# KiCad board panel.opm-inline.kicad_pcb (continued)
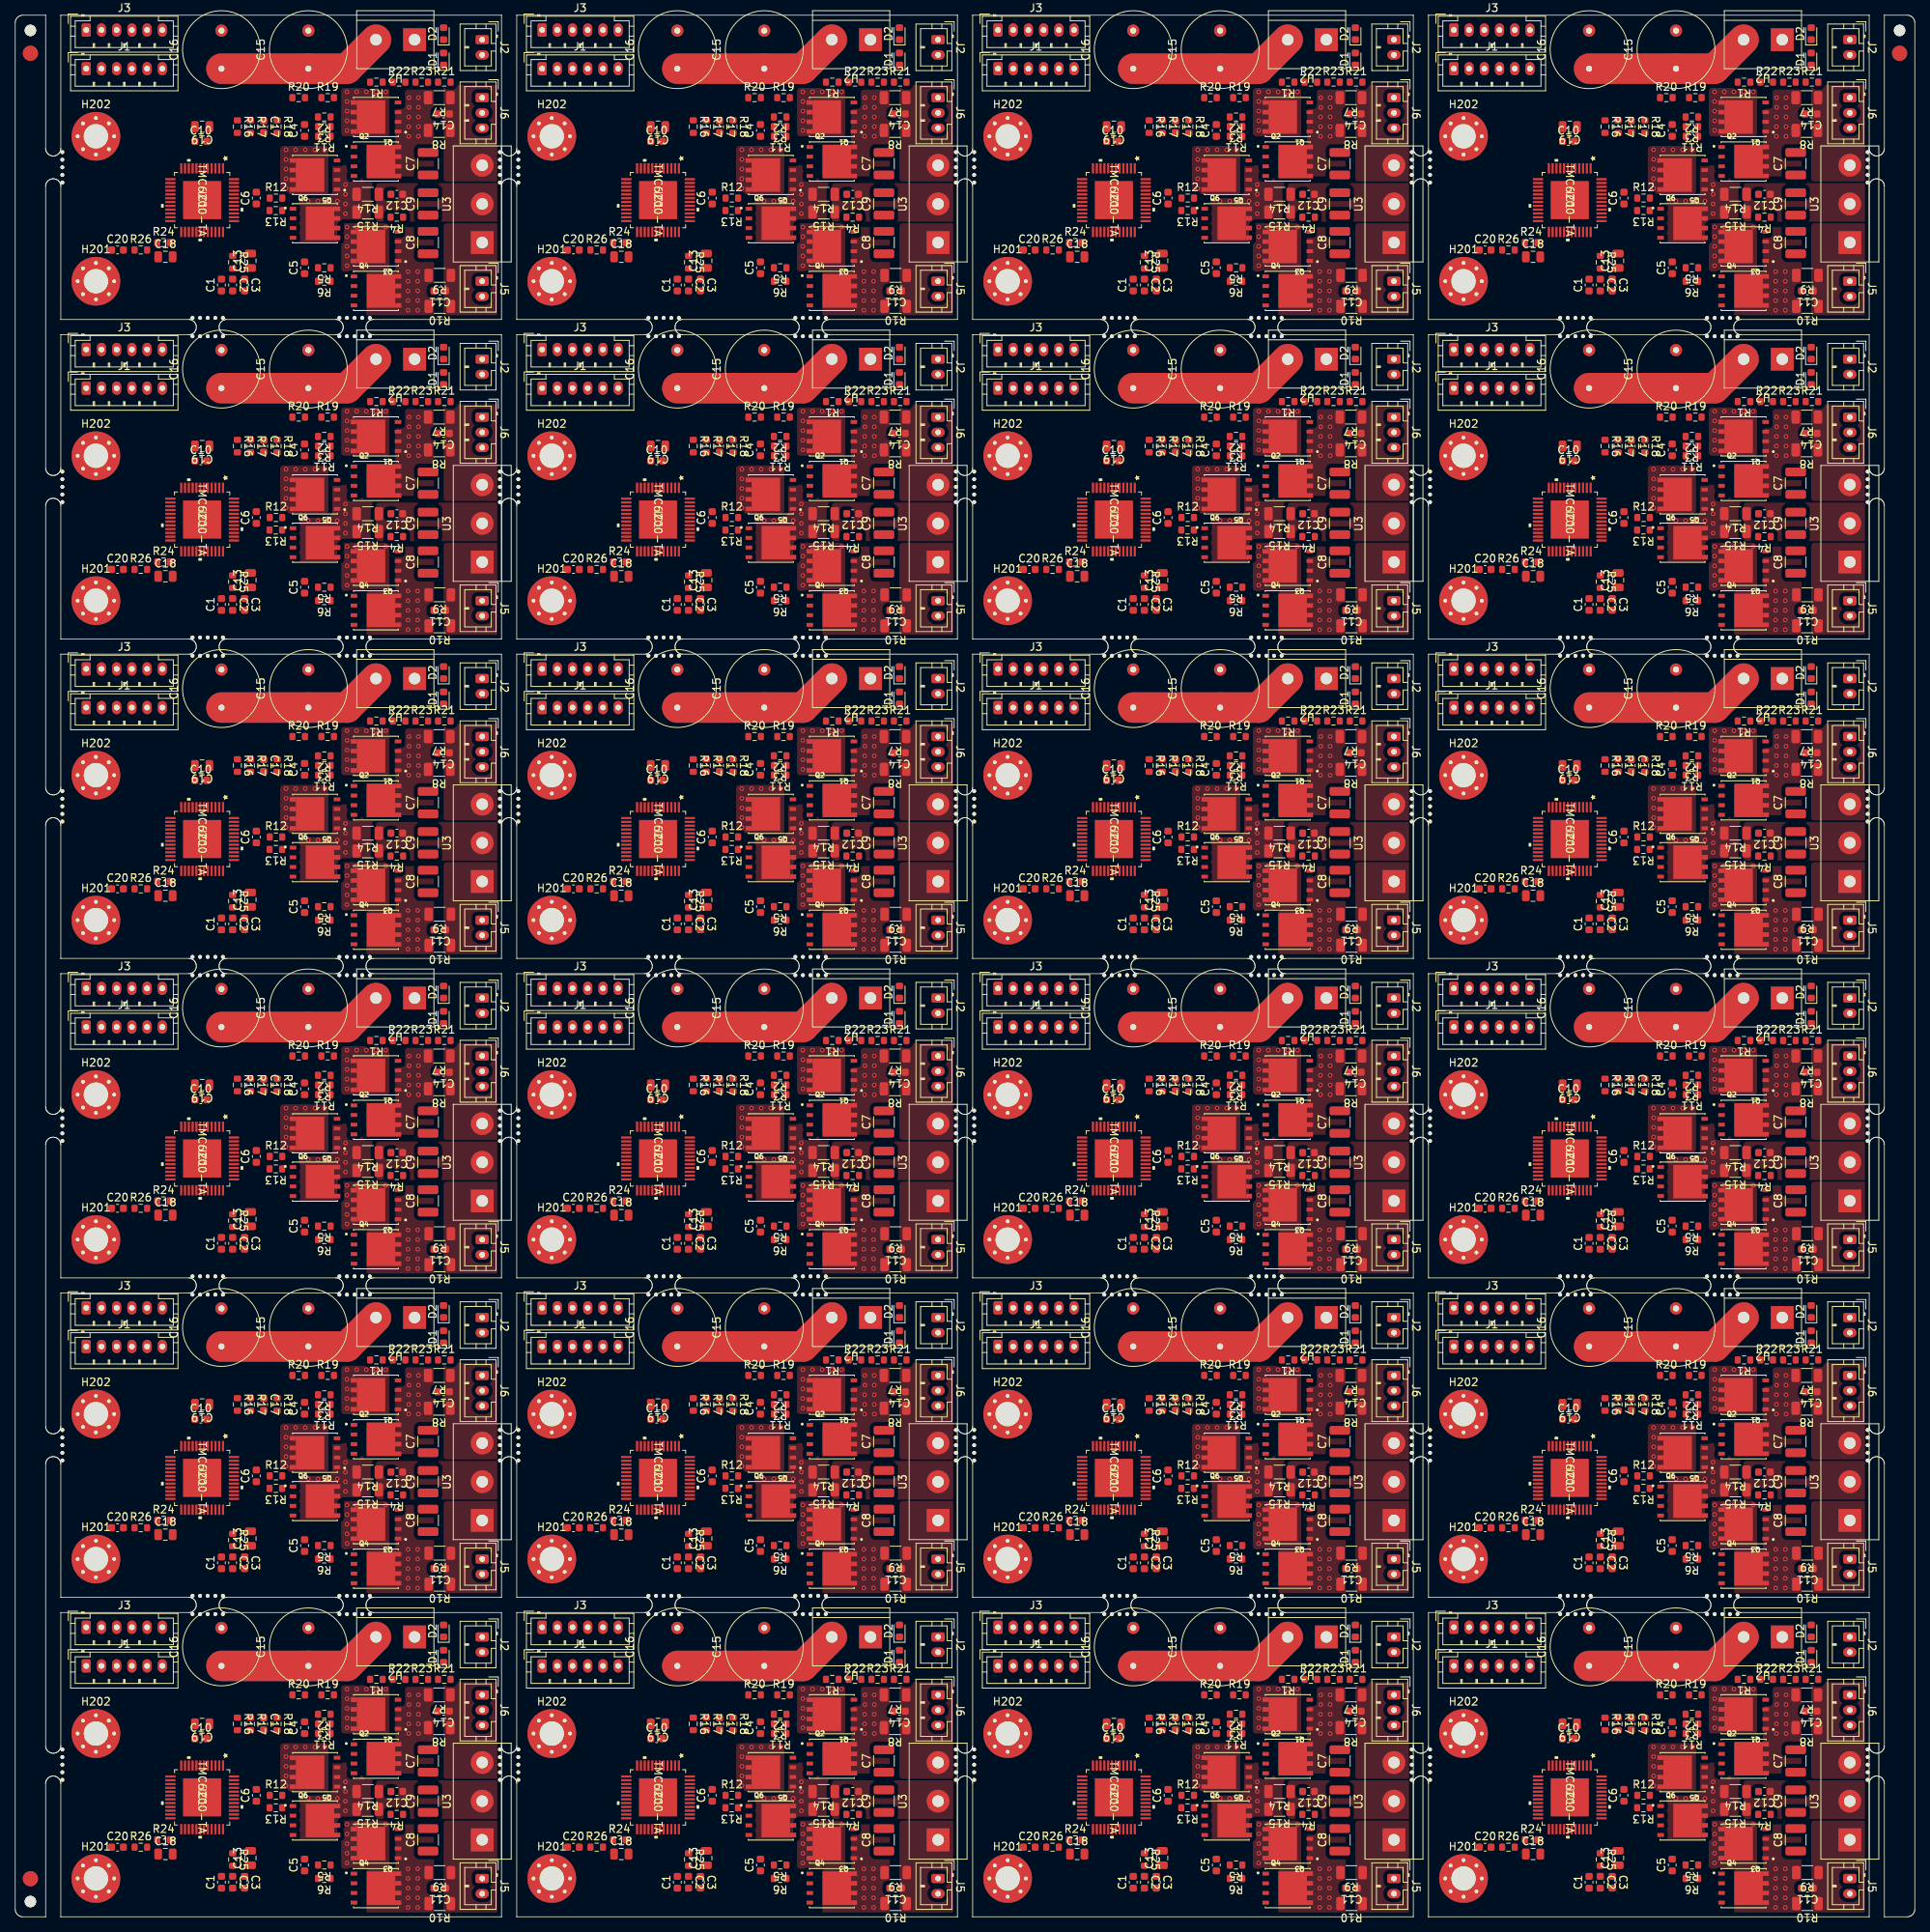
[diagram p0: board, top side]
## Routing (per net, layer and track width the routed paths; a pad name or vN(x,y) marks a point on that pad's centre or on a via; arc(x,y) is an arc through that point) (continued)
Board_19-Net-(C4-Pad1):
  vias: v1(231.6,68.62) v1(231.6,67.35) v1(231.6,66.08) v1(231.64,71.16) v1(231.64,69.89) v1(232.87,71.16) v1(232.87,69.89) v1(232.87,68.62) v1(232.87,67.35) v1(232.87,66.08)
Board_19-Net-(C5-Pad2):
  vias: v1(231.5,48.3) v1(231.5,47.03) v1(231.5,45.76) v1(231.5,44.49) v1(231.5,43.22) v1(232.77,48.3) v1(232.77,47.03) v1(232.77,45.76) v1(232.77,44.49) v1(232.77,43.22)
Board_19-Net-(C6-Pad1):
  vias: v1(218.4,57.56) v1(219.67,57.56) v1(220.94,57.56) v1(222.21,57.56) v1(223.28,59.73) v1(223.28,58.46) v1(223.28,57.19) v1(223.28,55.92)
Board_20-/+VM: length 86
  Top w4: U2#21.2 43.63,32.98 C15#21.1 C16#21.1
  In1.Cu w4: C16#21.1 36.93,32.98 ; 43.63,32.98 U2#21.2 ; 37.28,32.98 42.36,32.98
  In2.Cu w4: U2#21.2 43.63,32.98 C15#21.1 C16#21.1
  Bottom w4: U2#21.2 43.63,32.98 C15#21.1 C16#21.1
  vias: v1(35.61,22.32) v1(35.61,21.05) v1(35.61,19.78) v1(35.61,18.51) v1(35.61,17.24) v1(36.88,22.32) v1(38.15,22.32) v1(39.42,22.32) v1(40.69,22.32) v1(43.63,29.94) v1(43.63,28.67) v1(43.63,27.4) v1(43.63,26.13) v1(43.63,24.86) v1(43.63,12.16) v1(43.63,10.89) v1(43.63,9.62) v1(43.63,8.35) v1(43.63,7.08) v1(44.9,29.94) v1(44.9,12.16) v1(46.17,29.94) v1(46.17,12.16) v1(47.44,29.94) v1(47.44,12.16) v1(48.71,29.94) v1(48.71,12.16)
Board_20-Net-(C4-Pad1):
  vias: v1(51.79,29.17) v1(51.79,27.9) v1(51.75,26.63) v1(51.75,25.36) v1(51.75,24.09) v1(53.02,29.17) v1(53.02,27.9) v1(53.02,26.63) v1(53.02,25.36) v1(53.02,24.09)
Board_20-Net-(C5-Pad2):
  vias: v1(51.65,6.31) v1(51.65,5.04) v1(51.65,3.77) v1(51.65,2.5) v1(51.65,1.23) v1(52.92,6.31) v1(52.92,5.04) v1(52.92,3.77) v1(52.92,2.5) v1(52.92,1.23)
Board_20-Net-(C6-Pad1):
  vias: v1(38.55,15.57) v1(39.82,15.57) v1(41.09,15.57) v1(42.36,15.57) v1(43.43,17.74) v1(43.43,16.47) v1(43.43,15.2) v1(43.43,13.93)
Board_21-/+VM: length 86
  Top w4: U2#22.2 103.58,32.98 C15#22.1 C16#22.1
  In1.Cu w4: C16#22.1 96.88,32.98 ; 103.58,32.98 U2#22.2 ; 97.23,32.98 102.31,32.98
  In2.Cu w4: U2#22.2 103.58,32.98 C15#22.1 C16#22.1
  Bottom w4: U2#22.2 103.58,32.98 C15#22.1 C16#22.1
  vias: v1(95.56,22.32) v1(95.56,21.05) v1(95.56,19.78) v1(95.56,18.51) v1(95.56,17.24) v1(96.83,22.32) v1(98.1,22.32) v1(99.37,22.32) v1(100.64,22.32) v1(103.58,29.94) v1(103.58,28.67) v1(103.58,27.4) v1(103.58,26.13) v1(103.58,24.86) v1(103.58,12.16) v1(103.58,10.89) v1(103.58,9.62) v1(103.58,8.35) v1(103.58,7.08) v1(104.85,29.94) v1(104.85,12.16) v1(106.12,29.94) v1(106.12,12.16) v1(107.39,29.94) v1(107.39,12.16) v1(108.66,29.94) v1(108.66,12.16)
Board_21-Net-(C4-Pad1):
  vias: v1(111.7,26.63) v1(111.7,25.36) v1(111.7,24.09) v1(111.74,29.17) v1(111.74,27.9) v1(112.97,29.17) v1(112.97,27.9) v1(112.97,26.63) v1(112.97,25.36) v1(112.97,24.09)
Board_21-Net-(C5-Pad2):
  vias: v1(111.6,6.31) v1(111.6,5.04) v1(111.6,3.77) v1(111.6,2.5) v1(111.6,1.23) v1(112.87,6.31) v1(112.87,5.04) v1(112.87,3.77) v1(112.87,2.5) v1(112.87,1.23)
Board_21-Net-(C6-Pad1):
  vias: v1(98.5,15.57) v1(99.77,15.57) v1(101.04,15.57) v1(102.31,15.57) v1(103.38,17.74) v1(103.38,16.47) v1(103.38,15.2) v1(103.38,13.93)
Board_22-/+VM: length 86
  Top w4: U2#23.2 163.53,32.98 C15#23.1 C16#23.1
  In1.Cu w4: C16#23.1 156.83,32.98 ; 163.53,32.98 U2#23.2 ; 157.18,32.98 162.26,32.98
  In2.Cu w4: U2#23.2 163.53,32.98 C15#23.1 C16#23.1
  Bottom w4: U2#23.2 163.53,32.98 C15#23.1 C16#23.1
  vias: v1(155.51,22.32) v1(155.51,21.05) v1(155.51,19.78) v1(155.51,18.51) v1(155.51,17.24) v1(156.78,22.32) v1(158.05,22.32) v1(159.32,22.32) v1(160.59,22.32) v1(163.53,29.94) v1(163.53,28.67) v1(163.53,27.4) v1(163.53,26.13) v1(163.53,24.86) v1(163.53,12.16) v1(163.53,10.89) v1(163.53,9.62) v1(163.53,8.35) v1(163.53,7.08) v1(164.8,29.94) v1(164.8,12.16) v1(166.07,29.94) v1(166.07,12.16) v1(167.34,29.94) v1(167.34,12.16) v1(168.61,29.94) v1(168.61,12.16)
Board_22-Net-(C4-Pad1):
  vias: v1(171.69,29.17) v1(171.69,27.9) v1(171.65,26.63) v1(171.65,25.36) v1(171.65,24.09) v1(172.92,29.17) v1(172.92,27.9) v1(172.92,26.63) v1(172.92,25.36) v1(172.92,24.09)
Board_22-Net-(C5-Pad2):
  vias: v1(171.55,6.31) v1(171.55,5.04) v1(171.55,3.77) v1(171.55,2.5) v1(171.55,1.23) v1(172.82,6.31) v1(172.82,5.04) v1(172.82,3.77) v1(172.82,2.5) v1(172.82,1.23)
Board_22-Net-(C6-Pad1):
  vias: v1(158.45,15.57) v1(159.72,15.57) v1(160.99,15.57) v1(162.26,15.57) v1(163.33,17.74) v1(163.33,16.47) v1(163.33,15.2) v1(163.33,13.93)
Board_23-/+VM: length 86
  Top w4: U2#24.2 223.48,32.98 C15#24.1 C16#24.1
  In1.Cu w4: C16#24.1 216.78,32.98 ; 223.48,32.98 U2#24.2 ; 217.13,32.98 222.21,32.98
  In2.Cu w4: U2#24.2 223.48,32.98 C15#24.1 C16#24.1
  Bottom w4: U2#24.2 223.48,32.98 C15#24.1 C16#24.1
  vias: v1(215.46,22.32) v1(215.46,21.05) v1(215.46,19.78) v1(215.46,18.51) v1(215.46,17.24) v1(216.73,22.32) v1(218,22.32) v1(219.27,22.32) v1(220.54,22.32) v1(223.48,29.94) v1(223.48,28.67) v1(223.48,27.4) v1(223.48,26.13) v1(223.48,24.86) v1(223.48,12.16) v1(223.48,10.89) v1(223.48,9.62) v1(223.48,8.35) v1(223.48,7.08) v1(224.75,29.94) v1(224.75,12.16) v1(226.02,29.94) v1(226.02,12.16) v1(227.29,29.94) v1(227.29,12.16) v1(228.56,29.94) v1(228.56,12.16)
Board_23-Net-(C4-Pad1):
  vias: v1(231.6,26.63) v1(231.6,25.36) v1(231.6,24.09) v1(231.64,29.17) v1(231.64,27.9) v1(232.87,29.17) v1(232.87,27.9) v1(232.87,26.63) v1(232.87,25.36) v1(232.87,24.09)
Board_23-Net-(C5-Pad2):
  vias: v1(231.5,6.31) v1(231.5,5.04) v1(231.5,3.77) v1(231.5,2.5) v1(231.5,1.23) v1(232.77,6.31) v1(232.77,5.04) v1(232.77,3.77) v1(232.77,2.5) v1(232.77,1.23)
Board_23-Net-(C6-Pad1):
  vias: v1(218.4,15.57) v1(219.67,15.57) v1(220.94,15.57) v1(222.21,15.57) v1(223.28,17.74) v1(223.28,16.47) v1(223.28,15.2) v1(223.28,13.93)

## Copper pours and planes (outline as drawn; the poured copper is in the pictures)
Board_0-/+VM on Top: 49.21,234.04 42.86,234.04 42.86,240.39 49.21,240.39
Board_0-/+VM on Top: 41.19,226.42 34.84,226.42 34.84,232.77 41.19,232.77
Board_0-/+VM on Top: 49.21,216.26 42.86,216.26 42.86,222.61 49.21,222.61
Board_0-/+VM on Bottom: 63.28,210.31 6.13,210.31 6.13,249.68 63.28,249.68
Board_0-/+VM on Bottom: 49.21,234.04 42.86,234.04 42.86,240.39 49.21,240.39
Board_0-/+VM on Bottom: 41.19,226.42 34.84,226.42 34.84,232.77 41.19,232.77
Board_0-/+VM on Bottom: 49.21,216.26 42.86,216.26 42.86,222.61 49.21,222.61
Board_0-/U on Top: 63.95,228.09 56.33,228.09 56.33,240.79 63.95,240.79
Board_0-/U on Bottom: 63.95,228.09 56.33,228.09 56.33,240.79 63.95,240.79
Board_0-/V on Top: 63.95,222.81 47.44,222.81 47.44,227.89 63.95,227.89
Board_0-/V on Bottom: 63.95,222.81 47.44,222.81 47.44,227.89 63.95,227.89
Board_0-/W on Top: 63.95,209.91 56.33,209.91 56.33,222.61 63.95,222.61
Board_0-/W on Bottom: 63.95,209.91 56.33,209.91 56.33,222.61 63.95,222.61
Board_0-Net-(C4-Pad1) on Top: 55.06,228.76 46.17,228.76 46.17,232.57 49.98,232.57 49.98,237.65 51.25,237.65 51.25,240.19 55.06,240.19
Board_0-Net-(C4-Pad1) on Bottom: 55.06,228.76 46.17,228.76 46.17,232.57 49.98,232.57 49.98,237.65 51.25,237.65 51.25,240.19 55.06,240.19
Board_0-Net-(C5-Pad2) on Top: 55.09,209.91 46.2,209.91 46.2,216.26 50.01,216.26 49.98,222.11 55.06,222.11
Board_0-Net-(C5-Pad2) on Bottom: 55.09,209.91 46.2,209.91 46.2,214.99 50.01,214.99 49.98,222.11 55.06,222.11
Board_0-Net-(C6-Pad1) on Top: 48.71,220.07 37.28,220.07 37.28,230.23 48.71,230.23
Board_0-Net-(C6-Pad1) on Bottom: 48.71,220.07 37.28,220.07 37.28,230.23 48.71,230.23
Board_0-Net-(R2-Pad1) on Bottom: 55.06,228.96 46.17,228.96 46.17,232.77 49.98,232.77 49.98,237.85 51.25,237.85 51.25,240.39 55.06,240.39
Board_0-Net-(R12-Pad1) on Bottom: 44.13,227.69 45.4,227.69 45.4,222.61 44.13,222.61 44.13,220.07 38.55,220.07 38.55,225.15 41.59,225.15 41.59,230.23 44.13,230.23
Board_1-/+VM on Top: 109.16,234.04 102.81,234.04 102.81,240.39 109.16,240.39
Board_1-/+VM on Top: 101.14,226.42 94.79,226.42 94.79,232.77 101.14,232.77
Board_1-/+VM on Top: 109.16,216.26 102.81,216.26 102.81,222.61 109.16,222.61
Board_1-/+VM on Bottom: 123.23,210.31 66.08,210.31 66.08,249.68 123.23,249.68
Board_1-/+VM on Bottom: 109.16,234.04 102.81,234.04 102.81,240.39 109.16,240.39
Board_1-/+VM on Bottom: 101.14,226.42 94.79,226.42 94.79,232.77 101.14,232.77
Board_1-/+VM on Bottom: 109.16,216.26 102.81,216.26 102.81,222.61 109.16,222.61
Board_1-/U on Top: 123.9,228.09 116.28,228.09 116.28,240.79 123.9,240.79
Board_1-/U on Bottom: 123.9,228.09 116.28,228.09 116.28,240.79 123.9,240.79
Board_1-/V on Top: 123.9,222.81 107.39,222.81 107.39,227.89 123.9,227.89
Board_1-/V on Bottom: 123.9,222.81 107.39,222.81 107.39,227.89 123.9,227.89
Board_1-/W on Top: 123.9,209.91 116.28,209.91 116.28,222.61 123.9,222.61
Board_1-/W on Bottom: 123.9,209.91 116.28,209.91 116.28,222.61 123.9,222.61
Board_1-Net-(C4-Pad1) on Top: 115.01,228.76 106.12,228.76 106.12,232.57 109.93,232.57 109.93,237.65 111.2,237.65 111.2,240.19 115.01,240.19
Board_1-Net-(C4-Pad1) on Bottom: 115.01,228.76 106.12,228.76 106.12,232.57 109.93,232.57 109.93,237.65 111.2,237.65 111.2,240.19 115.01,240.19
Board_1-Net-(C5-Pad2) on Top: 115.04,209.91 106.15,209.91 106.15,216.26 109.96,216.26 109.93,222.11 115.01,222.11
Board_1-Net-(C5-Pad2) on Bottom: 115.04,209.91 106.15,209.91 106.15,214.99 109.96,214.99 109.93,222.11 115.01,222.11
Board_1-Net-(C6-Pad1) on Top: 108.66,220.07 97.23,220.07 97.23,230.23 108.66,230.23
Board_1-Net-(C6-Pad1) on Bottom: 108.66,220.07 97.23,220.07 97.23,230.23 108.66,230.23
Board_1-Net-(R2-Pad1) on Bottom: 115.01,228.96 106.12,228.96 106.12,232.77 109.93,232.77 109.93,237.85 111.2,237.85 111.2,240.39 115.01,240.39
Board_1-Net-(R12-Pad1) on Bottom: 104.08,227.69 105.35,227.69 105.35,222.61 104.08,222.61 104.08,220.07 98.5,220.07 98.5,225.15 101.54,225.15 101.54,230.23 104.08,230.23
Board_2-/+VM on Top: 169.11,234.04 162.76,234.04 162.76,240.39 169.11,240.39
Board_2-/+VM on Top: 161.09,226.42 154.74,226.42 154.74,232.77 161.09,232.77
Board_2-/+VM on Top: 169.11,216.26 162.76,216.26 162.76,222.61 169.11,222.61
Board_2-/+VM on Bottom: 183.18,210.31 126.03,210.31 126.03,249.68 183.18,249.68
Board_2-/+VM on Bottom: 169.11,234.04 162.76,234.04 162.76,240.39 169.11,240.39
Board_2-/+VM on Bottom: 161.09,226.42 154.74,226.42 154.74,232.77 161.09,232.77
Board_2-/+VM on Bottom: 169.11,216.26 162.76,216.26 162.76,222.61 169.11,222.61
Board_2-/U on Top: 183.85,228.09 176.23,228.09 176.23,240.79 183.85,240.79
Board_2-/U on Bottom: 183.85,228.09 176.23,228.09 176.23,240.79 183.85,240.79
Board_2-/V on Top: 183.85,222.81 167.34,222.81 167.34,227.89 183.85,227.89
Board_2-/V on Bottom: 183.85,222.81 167.34,222.81 167.34,227.89 183.85,227.89
Board_2-/W on Top: 183.85,209.91 176.23,209.91 176.23,222.61 183.85,222.61
Board_2-/W on Bottom: 183.85,209.91 176.23,209.91 176.23,222.61 183.85,222.61
Board_2-Net-(C4-Pad1) on Top: 174.96,228.76 166.07,228.76 166.07,232.57 169.88,232.57 169.88,237.65 171.15,237.65 171.15,240.19 174.96,240.19
Board_2-Net-(C4-Pad1) on Bottom: 174.96,228.76 166.07,228.76 166.07,232.57 169.88,232.57 169.88,237.65 171.15,237.65 171.15,240.19 174.96,240.19
Board_2-Net-(C5-Pad2) on Top: 174.99,209.91 166.1,209.91 166.1,216.26 169.91,216.26 169.88,222.11 174.96,222.11
Board_2-Net-(C5-Pad2) on Bottom: 174.99,209.91 166.1,209.91 166.1,214.99 169.91,214.99 169.88,222.11 174.96,222.11
Board_2-Net-(C6-Pad1) on Top: 168.61,220.07 157.18,220.07 157.18,230.23 168.61,230.23
Board_2-Net-(C6-Pad1) on Bottom: 168.61,220.07 157.18,220.07 157.18,230.23 168.61,230.23
Board_2-Net-(R2-Pad1) on Bottom: 174.96,228.96 166.07,228.96 166.07,232.77 169.88,232.77 169.88,237.85 171.15,237.85 171.15,240.39 174.96,240.39
Board_2-Net-(R12-Pad1) on Bottom: 164.03,227.69 165.3,227.69 165.3,222.61 164.03,222.61 164.03,220.07 158.45,220.07 158.45,225.15 161.49,225.15 161.49,230.23 164.03,230.23
Board_3-/+VM on Top: 229.06,234.04 222.71,234.04 222.71,240.39 229.06,240.39
Board_3-/+VM on Top: 221.04,226.42 214.69,226.42 214.69,232.77 221.04,232.77
Board_3-/+VM on Top: 229.06,216.26 222.71,216.26 222.71,222.61 229.06,222.61
Board_3-/+VM on Bottom: 243.13,210.31 185.98,210.31 185.98,249.68 243.13,249.68
Board_3-/+VM on Bottom: 229.06,234.04 222.71,234.04 222.71,240.39 229.06,240.39
Board_3-/+VM on Bottom: 221.04,226.42 214.69,226.42 214.69,232.77 221.04,232.77
Board_3-/+VM on Bottom: 229.06,216.26 222.71,216.26 222.71,222.61 229.06,222.61
Board_3-/U on Top: 243.8,228.09 236.18,228.09 236.18,240.79 243.8,240.79
Board_3-/U on Bottom: 243.8,228.09 236.18,228.09 236.18,240.79 243.8,240.79
Board_3-/V on Top: 243.8,222.81 227.29,222.81 227.29,227.89 243.8,227.89
Board_3-/V on Bottom: 243.8,222.81 227.29,222.81 227.29,227.89 243.8,227.89
Board_3-/W on Top: 243.8,209.91 236.18,209.91 236.18,222.61 243.8,222.61
Board_3-/W on Bottom: 243.8,209.91 236.18,209.91 236.18,222.61 243.8,222.61
Board_3-Net-(C4-Pad1) on Top: 234.91,228.76 226.02,228.76 226.02,232.57 229.83,232.57 229.83,237.65 231.1,237.65 231.1,240.19 234.91,240.19
Board_3-Net-(C4-Pad1) on Bottom: 234.91,228.76 226.02,228.76 226.02,232.57 229.83,232.57 229.83,237.65 231.1,237.65 231.1,240.19 234.91,240.19
Board_3-Net-(C5-Pad2) on Top: 234.94,209.91 226.05,209.91 226.05,216.26 229.86,216.26 229.83,222.11 234.91,222.11
Board_3-Net-(C5-Pad2) on Bottom: 234.94,209.91 226.05,209.91 226.05,214.99 229.86,214.99 229.83,222.11 234.91,222.11
Board_3-Net-(C6-Pad1) on Top: 228.56,220.07 217.13,220.07 217.13,230.23 228.56,230.23
Board_3-Net-(C6-Pad1) on Bottom: 228.56,220.07 217.13,220.07 217.13,230.23 228.56,230.23
Board_3-Net-(R2-Pad1) on Bottom: 234.91,228.96 226.02,228.96 226.02,232.77 229.83,232.77 229.83,237.85 231.1,237.85 231.1,240.39 234.91,240.39
Board_3-Net-(R12-Pad1) on Bottom: 223.98,227.69 225.25,227.69 225.25,222.61 223.98,222.61 223.98,220.07 218.4,220.07 218.4,225.15 221.44,225.15 221.44,230.23 223.98,230.23
Board_4-/+VM on Top: 49.21,192.05 42.86,192.05 42.86,198.4 49.21,198.4
Board_4-/+VM on Top: 41.19,184.43 34.84,184.43 34.84,190.78 41.19,190.78
Board_4-/+VM on Top: 49.21,174.27 42.86,174.27 42.86,180.62 49.21,180.62
Board_4-/+VM on Bottom: 63.28,168.32 6.13,168.32 6.13,207.69 63.28,207.69
Board_4-/+VM on Bottom: 49.21,192.05 42.86,192.05 42.86,198.4 49.21,198.4
Board_4-/+VM on Bottom: 41.19,184.43 34.84,184.43 34.84,190.78 41.19,190.78
Board_4-/+VM on Bottom: 49.21,174.27 42.86,174.27 42.86,180.62 49.21,180.62
Board_4-/U on Top: 63.95,186.1 56.33,186.1 56.33,198.8 63.95,198.8
Board_4-/U on Bottom: 63.95,186.1 56.33,186.1 56.33,198.8 63.95,198.8
Board_4-/V on Top: 63.95,180.82 47.44,180.82 47.44,185.9 63.95,185.9
Board_4-/V on Bottom: 63.95,180.82 47.44,180.82 47.44,185.9 63.95,185.9
Board_4-/W on Top: 63.95,167.92 56.33,167.92 56.33,180.62 63.95,180.62
Board_4-/W on Bottom: 63.95,167.92 56.33,167.92 56.33,180.62 63.95,180.62
Board_4-Net-(C4-Pad1) on Top: 55.06,186.77 46.17,186.77 46.17,190.58 49.98,190.58 49.98,195.66 51.25,195.66 51.25,198.2 55.06,198.2
Board_4-Net-(C4-Pad1) on Bottom: 55.06,186.77 46.17,186.77 46.17,190.58 49.98,190.58 49.98,195.66 51.25,195.66 51.25,198.2 55.06,198.2
Board_4-Net-(C5-Pad2) on Top: 55.09,167.92 46.2,167.92 46.2,174.27 50.01,174.27 49.98,180.12 55.06,180.12
Board_4-Net-(C5-Pad2) on Bottom: 55.09,167.92 46.2,167.92 46.2,173 50.01,173 49.98,180.12 55.06,180.12
Board_4-Net-(C6-Pad1) on Top: 48.71,178.08 37.28,178.08 37.28,188.24 48.71,188.24
Board_4-Net-(C6-Pad1) on Bottom: 48.71,178.08 37.28,178.08 37.28,188.24 48.71,188.24
Board_4-Net-(R2-Pad1) on Bottom: 55.06,186.97 46.17,186.97 46.17,190.78 49.98,190.78 49.98,195.86 51.25,195.86 51.25,198.4 55.06,198.4
Board_4-Net-(R12-Pad1) on Bottom: 44.13,185.7 45.4,185.7 45.4,180.62 44.13,180.62 44.13,178.08 38.55,178.08 38.55,183.16 41.59,183.16 41.59,188.24 44.13,188.24
Board_5-/+VM on Top: 109.16,192.05 102.81,192.05 102.81,198.4 109.16,198.4
Board_5-/+VM on Top: 101.14,184.43 94.79,184.43 94.79,190.78 101.14,190.78
Board_5-/+VM on Top: 109.16,174.27 102.81,174.27 102.81,180.62 109.16,180.62
Board_5-/+VM on Bottom: 123.23,168.32 66.08,168.32 66.08,207.69 123.23,207.69
Board_5-/+VM on Bottom: 109.16,192.05 102.81,192.05 102.81,198.4 109.16,198.4
Board_5-/+VM on Bottom: 101.14,184.43 94.79,184.43 94.79,190.78 101.14,190.78
Board_5-/+VM on Bottom: 109.16,174.27 102.81,174.27 102.81,180.62 109.16,180.62
Board_5-/U on Top: 123.9,186.1 116.28,186.1 116.28,198.8 123.9,198.8
Board_5-/U on Bottom: 123.9,186.1 116.28,186.1 116.28,198.8 123.9,198.8
Board_5-/V on Top: 123.9,180.82 107.39,180.82 107.39,185.9 123.9,185.9
Board_5-/V on Bottom: 123.9,180.82 107.39,180.82 107.39,185.9 123.9,185.9
Board_5-/W on Top: 123.9,167.92 116.28,167.92 116.28,180.62 123.9,180.62
Board_5-/W on Bottom: 123.9,167.92 116.28,167.92 116.28,180.62 123.9,180.62
Board_5-Net-(C4-Pad1) on Top: 115.01,186.77 106.12,186.77 106.12,190.58 109.93,190.58 109.93,195.66 111.2,195.66 111.2,198.2 115.01,198.2
Board_5-Net-(C4-Pad1) on Bottom: 115.01,186.77 106.12,186.77 106.12,190.58 109.93,190.58 109.93,195.66 111.2,195.66 111.2,198.2 115.01,198.2
Board_5-Net-(C5-Pad2) on Top: 115.04,167.92 106.15,167.92 106.15,174.27 109.96,174.27 109.93,180.12 115.01,180.12
Board_5-Net-(C5-Pad2) on Bottom: 115.04,167.92 106.15,167.92 106.15,173 109.96,173 109.93,180.12 115.01,180.12
Board_5-Net-(C6-Pad1) on Top: 108.66,178.08 97.23,178.08 97.23,188.24 108.66,188.24
Board_5-Net-(C6-Pad1) on Bottom: 108.66,178.08 97.23,178.08 97.23,188.24 108.66,188.24
Board_5-Net-(R2-Pad1) on Bottom: 115.01,186.97 106.12,186.97 106.12,190.78 109.93,190.78 109.93,195.86 111.2,195.86 111.2,198.4 115.01,198.4
Board_5-Net-(R12-Pad1) on Bottom: 104.08,185.7 105.35,185.7 105.35,180.62 104.08,180.62 104.08,178.08 98.5,178.08 98.5,183.16 101.54,183.16 101.54,188.24 104.08,188.24
Board_6-/+VM on Top: 169.11,192.05 162.76,192.05 162.76,198.4 169.11,198.4
Board_6-/+VM on Top: 161.09,184.43 154.74,184.43 154.74,190.78 161.09,190.78
Board_6-/+VM on Top: 169.11,174.27 162.76,174.27 162.76,180.62 169.11,180.62
Board_6-/+VM on Bottom: 183.18,168.32 126.03,168.32 126.03,207.69 183.18,207.69
Board_6-/+VM on Bottom: 169.11,192.05 162.76,192.05 162.76,198.4 169.11,198.4
Board_6-/+VM on Bottom: 161.09,184.43 154.74,184.43 154.74,190.78 161.09,190.78
Board_6-/+VM on Bottom: 169.11,174.27 162.76,174.27 162.76,180.62 169.11,180.62
Board_6-/U on Top: 183.85,186.1 176.23,186.1 176.23,198.8 183.85,198.8
Board_6-/U on Bottom: 183.85,186.1 176.23,186.1 176.23,198.8 183.85,198.8
Board_6-/V on Top: 183.85,180.82 167.34,180.82 167.34,185.9 183.85,185.9
Board_6-/V on Bottom: 183.85,180.82 167.34,180.82 167.34,185.9 183.85,185.9
Board_6-/W on Top: 183.85,167.92 176.23,167.92 176.23,180.62 183.85,180.62
Board_6-/W on Bottom: 183.85,167.92 176.23,167.92 176.23,180.62 183.85,180.62
Board_6-Net-(C4-Pad1) on Top: 174.96,186.77 166.07,186.77 166.07,190.58 169.88,190.58 169.88,195.66 171.15,195.66 171.15,198.2 174.96,198.2
Board_6-Net-(C4-Pad1) on Bottom: 174.96,186.77 166.07,186.77 166.07,190.58 169.88,190.58 169.88,195.66 171.15,195.66 171.15,198.2 174.96,198.2
Board_6-Net-(C5-Pad2) on Top: 174.99,167.92 166.1,167.92 166.1,174.27 169.91,174.27 169.88,180.12 174.96,180.12
Board_6-Net-(C5-Pad2) on Bottom: 174.99,167.92 166.1,167.92 166.1,173 169.91,173 169.88,180.12 174.96,180.12
Board_6-Net-(C6-Pad1) on Top: 168.61,178.08 157.18,178.08 157.18,188.24 168.61,188.24
Board_6-Net-(C6-Pad1) on Bottom: 168.61,178.08 157.18,178.08 157.18,188.24 168.61,188.24
Board_6-Net-(R2-Pad1) on Bottom: 174.96,186.97 166.07,186.97 166.07,190.78 169.88,190.78 169.88,195.86 171.15,195.86 171.15,198.4 174.96,198.4
Board_6-Net-(R12-Pad1) on Bottom: 164.03,185.7 165.3,185.7 165.3,180.62 164.03,180.62 164.03,178.08 158.45,178.08 158.45,183.16 161.49,183.16 161.49,188.24 164.03,188.24
Board_7-/+VM on Top: 229.06,192.05 222.71,192.05 222.71,198.4 229.06,198.4
Board_7-/+VM on Top: 221.04,184.43 214.69,184.43 214.69,190.78 221.04,190.78
Board_7-/+VM on Top: 229.06,174.27 222.71,174.27 222.71,180.62 229.06,180.62
Board_7-/+VM on Bottom: 243.13,168.32 185.98,168.32 185.98,207.69 243.13,207.69
Board_7-/+VM on Bottom: 229.06,192.05 222.71,192.05 222.71,198.4 229.06,198.4
Board_7-/+VM on Bottom: 221.04,184.43 214.69,184.43 214.69,190.78 221.04,190.78
Board_7-/+VM on Bottom: 229.06,174.27 222.71,174.27 222.71,180.62 229.06,180.62
Board_7-/U on Top: 243.8,186.1 236.18,186.1 236.18,198.8 243.8,198.8
Board_7-/U on Bottom: 243.8,186.1 236.18,186.1 236.18,198.8 243.8,198.8
Board_7-/V on Top: 243.8,180.82 227.29,180.82 227.29,185.9 243.8,185.9
Board_7-/V on Bottom: 243.8,180.82 227.29,180.82 227.29,185.9 243.8,185.9
Board_7-/W on Top: 243.8,167.92 236.18,167.92 236.18,180.62 243.8,180.62
Board_7-/W on Bottom: 243.8,167.92 236.18,167.92 236.18,180.62 243.8,180.62
Board_7-Net-(C4-Pad1) on Top: 234.91,186.77 226.02,186.77 226.02,190.58 229.83,190.58 229.83,195.66 231.1,195.66 231.1,198.2 234.91,198.2
Board_7-Net-(C4-Pad1) on Bottom: 234.91,186.77 226.02,186.77 226.02,190.58 229.83,190.58 229.83,195.66 231.1,195.66 231.1,198.2 234.91,198.2
Board_7-Net-(C5-Pad2) on Top: 234.94,167.92 226.05,167.92 226.05,174.27 229.86,174.27 229.83,180.12 234.91,180.12
Board_7-Net-(C5-Pad2) on Bottom: 234.94,167.92 226.05,167.92 226.05,173 229.86,173 229.83,180.12 234.91,180.12
Board_7-Net-(C6-Pad1) on Top: 228.56,178.08 217.13,178.08 217.13,188.24 228.56,188.24
Board_7-Net-(C6-Pad1) on Bottom: 228.56,178.08 217.13,178.08 217.13,188.24 228.56,188.24
Board_7-Net-(R2-Pad1) on Bottom: 234.91,186.97 226.02,186.97 226.02,190.78 229.83,190.78 229.83,195.86 231.1,195.86 231.1,198.4 234.91,198.4
Board_7-Net-(R12-Pad1) on Bottom: 223.98,185.7 225.25,185.7 225.25,180.62 223.98,180.62 223.98,178.08 218.4,178.08 218.4,183.16 221.44,183.16 221.44,188.24 223.98,188.24
Board_8-/+VM on Top: 49.21,150.06 42.86,150.06 42.86,156.41 49.21,156.41
Board_8-/+VM on Top: 41.19,142.44 34.84,142.44 34.84,148.79 41.19,148.79
Board_8-/+VM on Top: 49.21,132.28 42.86,132.28 42.86,138.63 49.21,138.63
Board_8-/+VM on Bottom: 63.28,126.33 6.13,126.33 6.13,165.7 63.28,165.7
Board_8-/+VM on Bottom: 49.21,150.06 42.86,150.06 42.86,156.41 49.21,156.41
Board_8-/+VM on Bottom: 41.19,142.44 34.84,142.44 34.84,148.79 41.19,148.79
Board_8-/+VM on Bottom: 49.21,132.28 42.86,132.28 42.86,138.63 49.21,138.63
Board_8-/U on Top: 63.95,144.11 56.33,144.11 56.33,156.81 63.95,156.81
Board_8-/U on Bottom: 63.95,144.11 56.33,144.11 56.33,156.81 63.95,156.81
Board_8-/V on Top: 63.95,138.83 47.44,138.83 47.44,143.91 63.95,143.91
Board_8-/V on Bottom: 63.95,138.83 47.44,138.83 47.44,143.91 63.95,143.91
Board_8-/W on Top: 63.95,125.93 56.33,125.93 56.33,138.63 63.95,138.63
Board_8-/W on Bottom: 63.95,125.93 56.33,125.93 56.33,138.63 63.95,138.63
Board_8-Net-(C4-Pad1) on Top: 55.06,144.78 46.17,144.78 46.17,148.59 49.98,148.59 49.98,153.67 51.25,153.67 51.25,156.21 55.06,156.21
Board_8-Net-(C4-Pad1) on Bottom: 55.06,144.78 46.17,144.78 46.17,148.59 49.98,148.59 49.98,153.67 51.25,153.67 51.25,156.21 55.06,156.21
Board_8-Net-(C5-Pad2) on Top: 55.09,125.93 46.2,125.93 46.2,132.28 50.01,132.28 49.98,138.13 55.06,138.13
Board_8-Net-(C5-Pad2) on Bottom: 55.09,125.93 46.2,125.93 46.2,131.01 50.01,131.01 49.98,138.13 55.06,138.13
Board_8-Net-(C6-Pad1) on Top: 48.71,136.09 37.28,136.09 37.28,146.25 48.71,146.25
Board_8-Net-(C6-Pad1) on Bottom: 48.71,136.09 37.28,136.09 37.28,146.25 48.71,146.25
Board_8-Net-(R2-Pad1) on Bottom: 55.06,144.98 46.17,144.98 46.17,148.79 49.98,148.79 49.98,153.87 51.25,153.87 51.25,156.41 55.06,156.41
Board_8-Net-(R12-Pad1) on Bottom: 44.13,143.71 45.4,143.71 45.4,138.63 44.13,138.63 44.13,136.09 38.55,136.09 38.55,141.17 41.59,141.17 41.59,146.25 44.13,146.25
Board_9-/+VM on Top: 109.16,150.06 102.81,150.06 102.81,156.41 109.16,156.41
Board_9-/+VM on Top: 101.14,142.44 94.79,142.44 94.79,148.79 101.14,148.79
Board_9-/+VM on Top: 109.16,132.28 102.81,132.28 102.81,138.63 109.16,138.63
Board_9-/+VM on Bottom: 123.23,126.33 66.08,126.33 66.08,165.7 123.23,165.7
Board_9-/+VM on Bottom: 109.16,150.06 102.81,150.06 102.81,156.41 109.16,156.41
Board_9-/+VM on Bottom: 101.14,142.44 94.79,142.44 94.79,148.79 101.14,148.79
Board_9-/+VM on Bottom: 109.16,132.28 102.81,132.28 102.81,138.63 109.16,138.63
Board_9-/U on Top: 123.9,144.11 116.28,144.11 116.28,156.81 123.9,156.81
Board_9-/U on Bottom: 123.9,144.11 116.28,144.11 116.28,156.81 123.9,156.81
Board_9-/V on Top: 123.9,138.83 107.39,138.83 107.39,143.91 123.9,143.91
Board_9-/V on Bottom: 123.9,138.83 107.39,138.83 107.39,143.91 123.9,143.91
Board_9-/W on Top: 123.9,125.93 116.28,125.93 116.28,138.63 123.9,138.63
Board_9-/W on Bottom: 123.9,125.93 116.28,125.93 116.28,138.63 123.9,138.63
Board_9-Net-(C4-Pad1) on Top: 115.01,144.78 106.12,144.78 106.12,148.59 109.93,148.59 109.93,153.67 111.2,153.67 111.2,156.21 115.01,156.21
Board_9-Net-(C4-Pad1) on Bottom: 115.01,144.78 106.12,144.78 106.12,148.59 109.93,148.59 109.93,153.67 111.2,153.67 111.2,156.21 115.01,156.21
Board_9-Net-(C5-Pad2) on Top: 115.04,125.93 106.15,125.93 106.15,132.28 109.96,132.28 109.93,138.13 115.01,138.13
Board_9-Net-(C5-Pad2) on Bottom: 115.04,125.93 106.15,125.93 106.15,131.01 109.96,131.01 109.93,138.13 115.01,138.13
